# Altium PCB OneBox.PcbDoc (part 11 of 13)
Units mm, origin at the board's own origin, x right, y up, seen from the top; angles counter-clockwise.
Board outline 101 x 69 mm, 6 copper layers (L1_Sig, L2_Gnd, L3_Pow, L4_Sig, L5_Gnd, L6_Sig), stack 1.538 mm thick; 766 components, 563 nets, 3133 pads, 2914 vias.
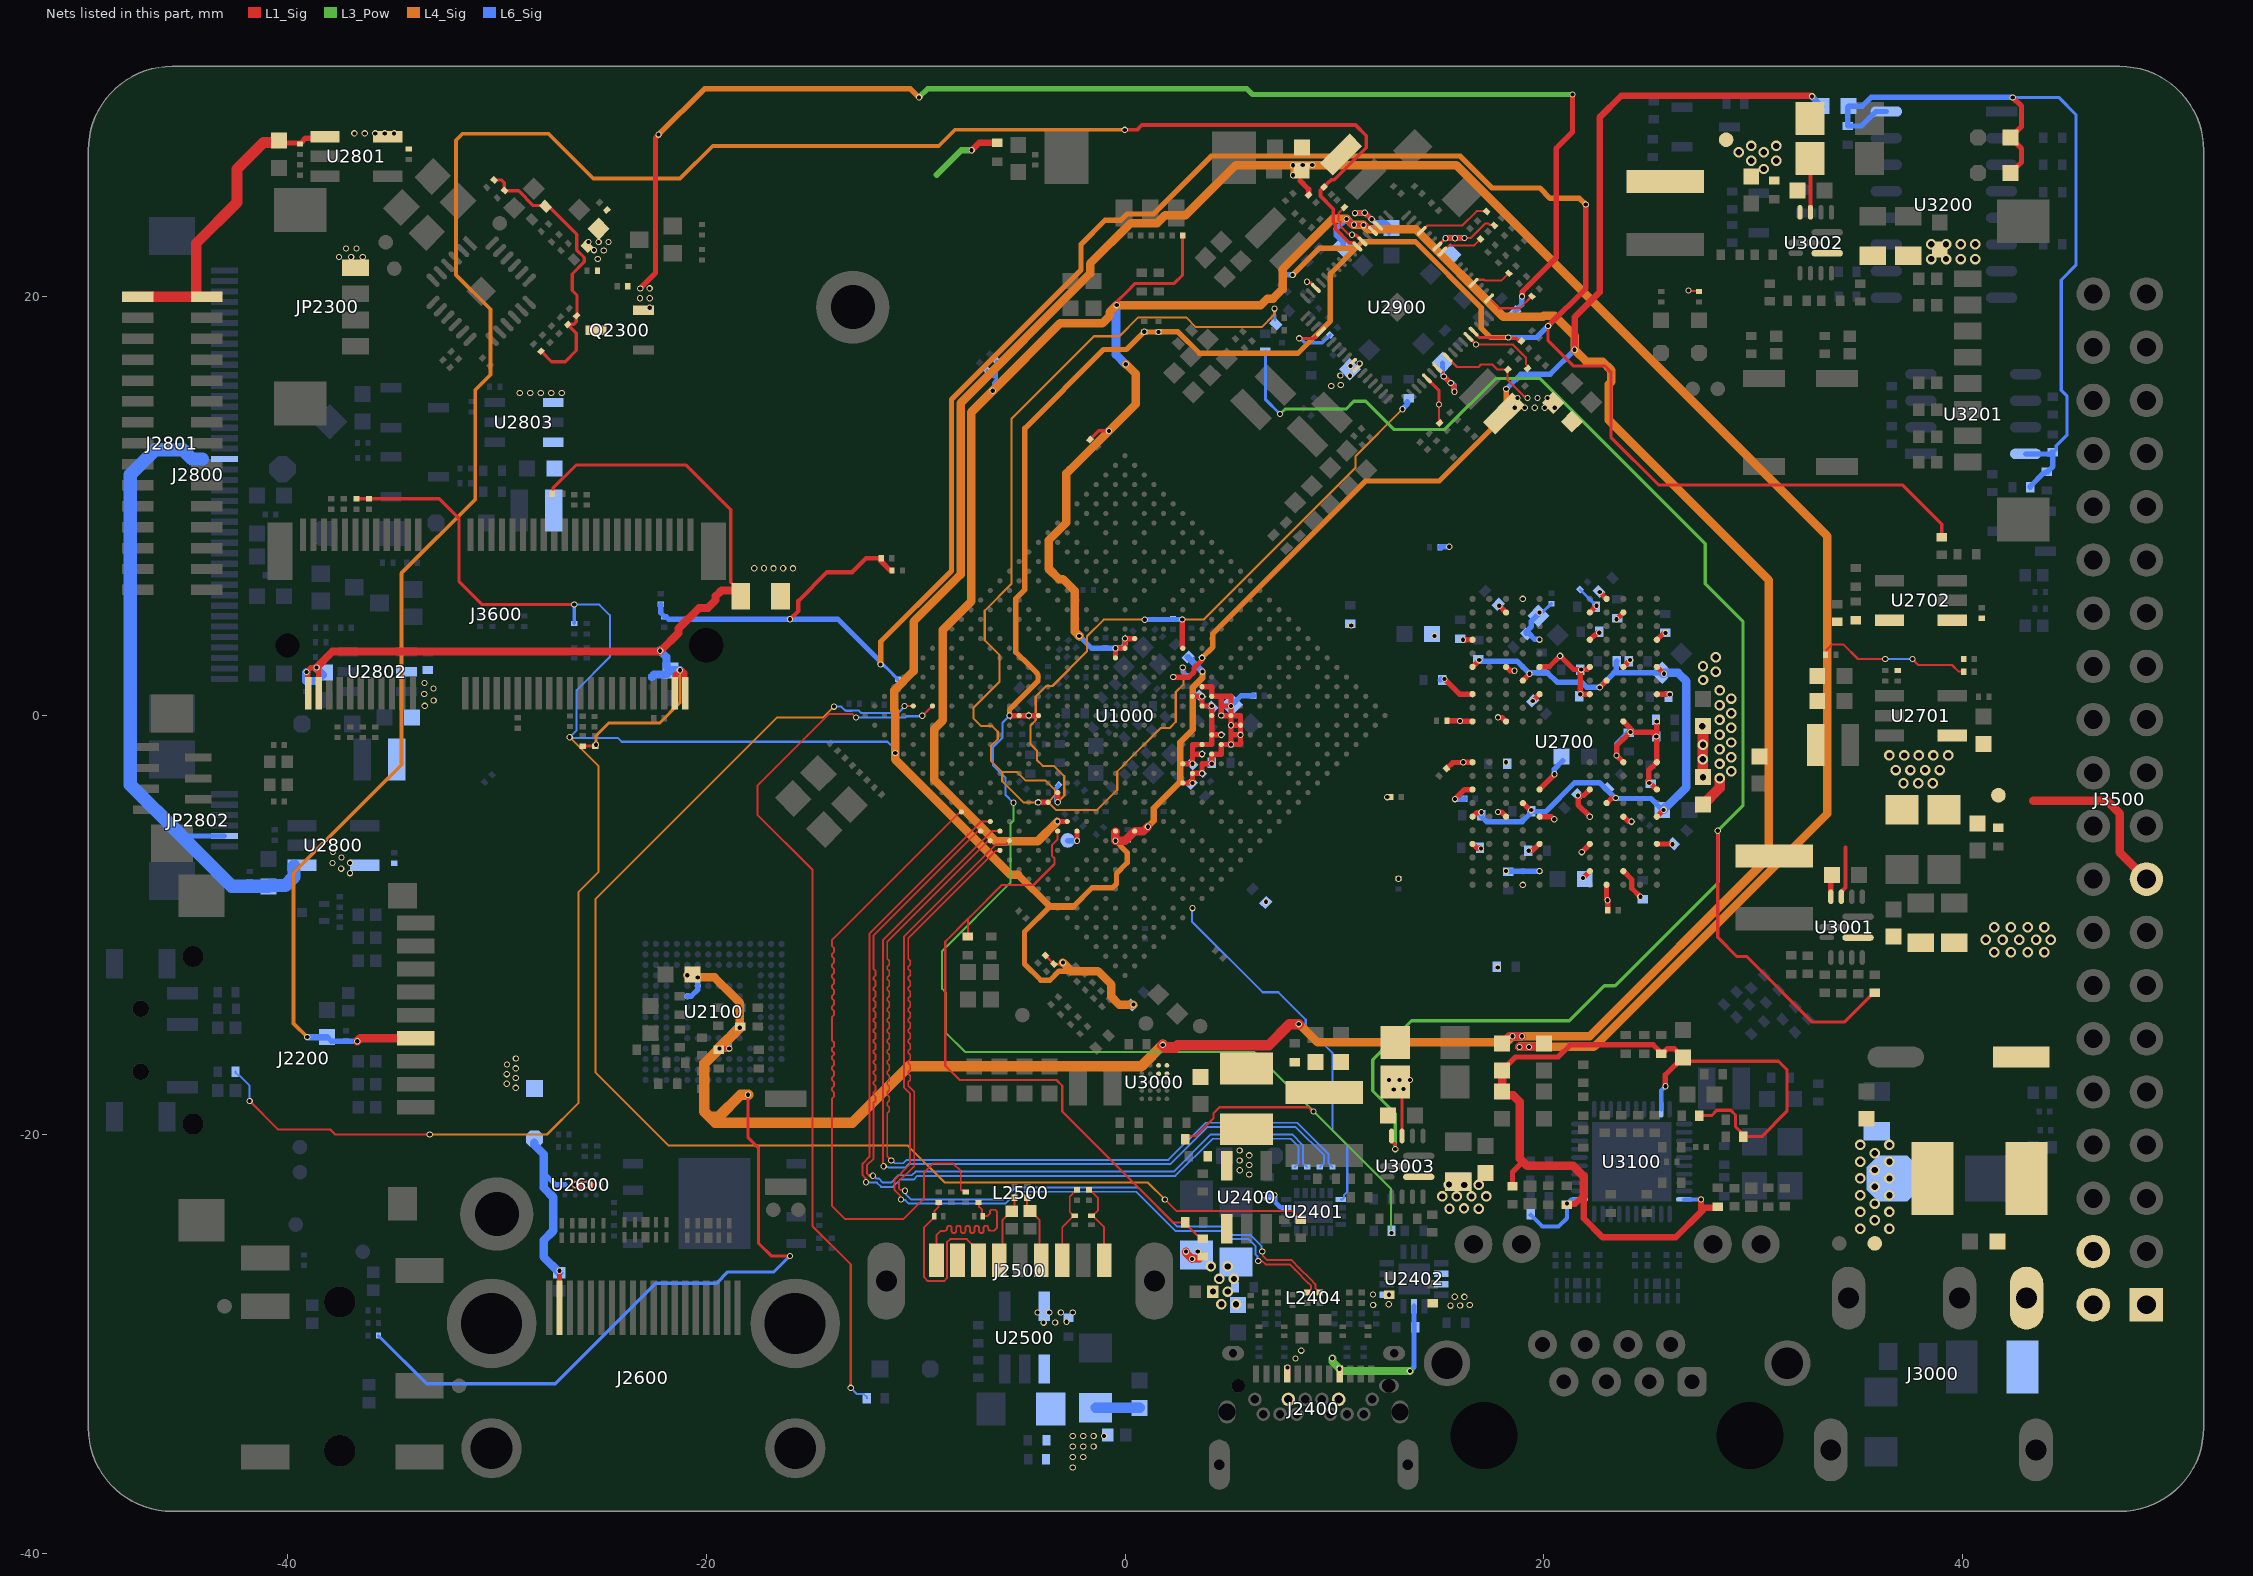
[diagram p15: the nets of this part, all layers, seen from the top]

## Via types
v1: diameter 0.3, hole 0.2, L1_Sig to L6_Sig, tented both sides, 2711 vias
v2: diameter 0.5, hole 0.3, L1_Sig to L6_Sig, tented both sides, 199 vias
v3: diameter 0.305, hole 0.203, L1_Sig to L6_Sig, tented both sides, 4 vias

## Nets (pads, with @x,y where several pads share a name; then routed paths per layer and width w, separated by ;. In a path a pad name is that pad's centre, name@x,y a point inside that pad or via, vN(x,y) a via of type N, cw(c..) or ccw(c..) an arc to the next point about the centre after c; other vN are vias at no path point) (continued)
USB3_HOST1_SSTX_P: R2505.1 U1000.V28 | length 32
  L1_Sig w0.091: U1000.V28@-7.814,-4.596 -7.856,-4.596 -7.925,-4.665 -7.933,-4.665 -13.994,-10.726 -13.994,-11 -13.9,-11.094 -13.9,-11.3 -13.994,-11.394 -13.994,-11.5 -13.9,-11.594 -13.9,-11.8 -13.994,-11.894 -13.994,-12 -13.9,-12.094 -13.9,-12.3 -13.994,-12.394 -13.994,-12.5 -13.9,-12.594 -13.9,-12.8 -13.994,-12.894 -13.994,-13 -13.9,-13.094 -13.9,-13.3 -13.994,-13.394 -13.994,-13.5 -13.9,-13.594 -13.9,-13.8 -13.994,-13.894 -13.994,-14 -13.9,-14.094 -13.9,-14.3 -13.994,-14.394 -13.994,-15.5 -13.9,-15.594 -13.9,-15.8 -13.994,-15.894 -13.994,-15.992 -13.9,-16.086 -13.9,-16.194 -13.994,-16.289 -13.994,-16.394 -13.9,-16.489 -13.9,-16.694 -13.994,-16.789 -13.994,-16.894 -13.9,-16.989 -13.9,-17.194 -13.994,-17.289 -13.994,-17.394 -13.9,-17.489 -13.9,-17.694 -13.994,-17.789 -13.994,-17.894 -13.9,-17.989 -13.9,-18.194 -13.994,-18.289 -13.994,-23.415 -13.368,-24.041 -10.6,-24.041 -9.6,-23.041 -9.6,-21.809 -9.185,-21.394 -8.195,-21.394 -7.847,-21.742 -7.847,-22.631 -7.794,-22.684 -7.666,-22.684 R2505.1@-7.6,-22.75
USB3_HOST1DM: ED2501.1 J2500.2 L2500.3 R2501.1 | length 3.3
  L1_Sig w0.091: J2500.2@-6,-26 -5.849,-25.849 -5.849,-24.074 -5.425,-23.65 -5.4,-23.65 -5.277,-23.527 R2501.1@-5.277,-23.026
USB3_HOST1DP: ED2500.1 J2500.3 L2500.4 R2500.1 | length 3.3
  L1_Sig w0.091: R2500.1@-4.677,-23.026 -4.677,-23.551 ED2500.1@-4.577,-23.651 ; ED2500.1@-4.54,-23.649 -4.515,-23.649 -4.286,-23.879 -4.286,-23.886 -4.09,-24.081 -4.09,-25.91 J2500.3@-4,-26
USB3_HOST1SSRXN: ED2503.1 J2500.5 R2502.2 | length 3.9
  L1_Sig w0.091: R2502.2@-1.696,-22.644 -1.287,-23.052 -1.287,-23.627 -1.55,-23.89 ED2503.1@-1.6,-23.89 ; ED2503.1@-1.568,-23.922 -1.536,-23.954 -1.472,-23.954 -1,-24.427 J2500.5@-1,-26
USB3_HOST1SSRXP: ED2502.1 J2500.6 R2503.2 | length 3.9
  L1_Sig w0.091: J2500.6@-3,-26 -3,-24.432 -2.523,-23.954 -2.464,-23.954 ED2502.1@-2.4,-23.89 -2.45,-23.89 -2.514,-23.826 -2.642,-23.698 -2.642,-22.964 -2.321,-22.644 R2503.2@-2.296,-22.644
USB3_HOST1SSTXN: C2500.1 ED2504.1 J2500.8 | length 9
  L1_Sig w0.091: C2500.1@-8.9,-23.25 -8.903,-23.253 -8.903,-23.459 -9.101,-23.656 -9.101,-23.891 ED2504.1@-9.11,-23.9 -9.11,-23.95 -9.6,-24.44 -9.6,-26.815 -9.415,-27 -8.642,-27 -8.503,-26.861 -8.503,-25.144 -8.358,-25 -7.55,-25 -7,-25.55 J2500.8@-7,-26
USB3_HOST1SSTXP: C2501.1 ED2505.1 J2500.9 | length 9
  L1_Sig w0.091: J2500.9@-9,-26 -9,-24.8 -8.8,-24.6 -8.654,-24.6 -8.608,-24.6 ccw(c-8.608,-24.491) -8.499,-24.491 -8.499,-24.466 cw(c-8.39,-24.466) -8.28,-24.466 -8.28,-24.602 ccw(c-8.171,-24.602) -8.062,-24.602 -8.062,-24.466 cw(c-7.953,-24.466) -7.843,-24.466 -7.843,-24.602 ccw(c-7.734,-24.602) -7.625,-24.602 -7.625,-24.466 cw(c-7.516,-24.466) -7.407,-24.466 -7.407,-24.602 ccw(c-7.297,-24.602) -7.188,-24.602 -7.188,-24.466 cw(c-7.079,-24.466) -6.97,-24.466 -6.97,-24.602 ccw(c-6.86,-24.602) -6.751,-24.602 -6.751,-24.466 cw(c-6.642,-24.466) -6.533,-24.466 -6.533,-24.488 ccw(c-6.424,-24.488) -6.423,-24.597 -6.271,-24.597 -6.253,-24.597 -6.225,-24.569 -6.118,-24.462 -6.118,-23.676 -6.199,-23.595 -6.393,-23.595 -6.458,-23.66 -6.458,-23.783 -6.575,-23.9 ED2505.1@-6.79,-23.9 -6.822,-23.868 -6.822,-23.603 -6.966,-23.459 -6.966,-23.284 C2501.1@-7,-23.25
USB3_OTG0_DP/DM_N: L2404.3 R2408.1 U1000.P28 | length 42.5
  L1_Sig w0.091: v1(-10.508,-22.685) -10.533,-22.66 -10.709,-22.66 -10.8,-22.569 -10.8,-22.245 -10.064,-21.509 -10.064,-17.957 -10.351,-17.67 -10.351,-17.494 -10.257,-17.4 -10.257,-17.194 -10.351,-17.1 -10.351,-16.994 -10.257,-16.9 -10.257,-16.694 -10.351,-16.6 -10.351,-16.494 -10.257,-16.4 -10.257,-16.194 -10.351,-16.1 -10.351,-15.994 -10.257,-15.9 -10.257,-15.694 -10.351,-15.6 -10.351,-15.494 -10.257,-15.4 -10.257,-15.194 -10.351,-15.1 -10.351,-14.994 -10.257,-14.9 -10.257,-14.694 -10.351,-14.6 -10.351,-14.494 -10.257,-14.4 -10.257,-14.194 -10.351,-14.1 -10.351,-13.994 -10.257,-13.9 -10.257,-13.694 -10.351,-13.6 -10.351,-13.494 -10.257,-13.4 -10.257,-13.194 -10.351,-13.1 -10.351,-12.994 -10.257,-12.9 -10.257,-12.694 -10.351,-12.6 -10.351,-12.494 -10.257,-12.4 -10.257,-12.194 -10.351,-12.1 -10.351,-11.994 -10.257,-11.9 -10.257,-11.694 -10.351,-11.6 -10.351,-10.636 -6.178,-6.462 -6.002,-6.462 U1000.P28@-5.975,-6.435 ; v1(6.549,-25.584) 6.575,-25.609 6.575,-25.782 6.793,-26 7.949,-26 8.328,-26.379 8.328,-26.382 8.842,-26.895 8.844,-26.895 9.093,-27.144 9.093,-27.343 9.196,-27.446 9.196,-27.471 9.275,-27.55 L2404.3@9.3,-27.55
  L6_Sig w0.091: v1(-10.508,-22.685) -10.467,-22.726 -10.467,-22.865 -10.232,-23.1 -5.8,-23.1 -5.23,-22.53 0.621,-22.53 2.485,-24.394 4.719,-24.394 5.115,-24.791 5.981,-24.791 6.509,-25.319 6.509,-25.544 v1(6.549,-25.584)
USB3_OTG0_DP/DM_P: L2404.4 R2409.1 U1000.P27 | length 42.5
  L1_Sig w0.091: v1(-10.7,-23.1) -10.741,-23.059 -10.741,-22.919 -11.006,-22.654 -11.006,-22.159 -10.27,-21.424 -10.27,-18.042 -10.557,-17.755 -10.557,-10.551 -6.169,-6.162 -5.703,-6.162 U1000.P27@-5.515,-5.975 ; v1(6.356,-26.041) 6.374,-26.059 6.562,-26.059 6.708,-26.206 7.864,-26.206 8.122,-26.464 8.122,-26.467 8.757,-27.101 8.759,-27.101 8.887,-27.229 8.887,-27.363 L2404.4@8.7,-27.55
  L6_Sig w0.091: v1(-10.7,-23.1) -10.67,-23.13 -10.492,-23.13 -10.317,-23.305 -5.714,-23.305 -5.144,-22.735 0.535,-22.735 2.4,-24.6 4.633,-24.6 5.03,-24.996 5.896,-24.996 6.224,-25.325 6.224,-25.718 6.316,-25.811 6.316,-26.001 v1(6.356,-26.041)
USB3_OTG0_ID: TP1900.1 U1000.L23 | length 0.9
  L1_Sig w0.102: U1000.L23@-2.298,-5.515 U1000.L23@-2.298,-5.515
  L1_Sig w0.254: v1(-2.298,-5.975) U1000.L23@-2.298,-5.515
  L6_Sig w0.254: TP1900.1@-2.739,-5.961 -2.732,-5.968 -2.305,-5.968 v1(-2.298,-5.975)
USB3_OTG0_SSRX_N: C2408.2 U1000.R27 | length 41.6
  L1_Sig w0.091: v1(-11.528,-21.518) -11.561,-21.486 -11.561,-10.716 -6.36,-5.515 U1000.R27@-5.975,-5.515
  L6_Sig w0.091: v1(-11.528,-21.518) -11.5,-21.546 -11.327,-21.546 -11.294,-21.579 -10.504,-21.579 -10.341,-21.417 2.156,-21.417 3.928,-19.645 8.145,-19.645 9.5,-21 9.5,-21.375 9.325,-21.55 C2408.2@9.3,-21.55
USB3_OTG0_SSRX_P: C2409.2 U1000.R28 | length 41.7
  L1_Sig w0.091: v1(-11.166,-21.247) -11.166,-21.218 -11.355,-21.03 -11.355,-18.994 -11.261,-18.9 -11.261,-18.694 -11.355,-18.6 -11.355,-18.494 -11.261,-18.4 -11.261,-18.194 -11.355,-18.1 -11.355,-17.994 -11.261,-17.9 -11.261,-17.694 -11.355,-17.6 -11.355,-17.494 -11.261,-17.4 -11.261,-17.194 -11.355,-17.1 -11.355,-16.994 -11.261,-16.9 -11.261,-16.694 -11.355,-16.6 -11.355,-16.494 -11.261,-16.4 -11.261,-16.194 -11.355,-16.1 -11.355,-15.994 -11.261,-15.9 -11.261,-15.694 -11.355,-15.6 -11.355,-15.494 -11.261,-15.4 -11.261,-15.194 -11.355,-15.1 -11.355,-14.994 -11.261,-14.9 -11.261,-14.694 -11.355,-14.6 -11.355,-14.494 -11.261,-14.4 -11.261,-14.194 -11.355,-14.1 -11.355,-13.994 -11.261,-13.9 -11.261,-13.694 -11.355,-13.6 -11.355,-13.494 -11.261,-13.4 -11.261,-13.194 -11.355,-13.1 -11.355,-12.994 -11.261,-12.9 -11.261,-12.694 -11.355,-12.6 -11.355,-12.494 -11.261,-12.4 -11.261,-12.194 -11.355,-12.1 -11.355,-11.994 -11.261,-11.9 -11.261,-11.694 -11.355,-11.6 -11.355,-10.801 -6.559,-6.005 -6.465,-6.005 U1000.R28@-6.435,-5.975
  L6_Sig w0.091: v1(-11.166,-21.247) -11.135,-21.247 -11.008,-21.374 -10.589,-21.374 -10.427,-21.211 2.071,-21.211 3.843,-19.439 8.23,-19.439 9.706,-20.915 9.706,-21.356 C2409.2@9.9,-21.55
USB3_OTG0_SSTX_N: C2406.2 U1000.T27 | length 43
  L1_Sig w0.091: v1(-12.372,-22.283) -12.397,-22.258 -12.397,-22.084 -12.534,-21.946 -12.534,-21.396 -12.212,-21.073 -12.212,-10.405 -7.491,-5.684 -6.863,-5.056 U1000.T27@-6.435,-5.056
  L6_Sig w0.091: v1(-12.372,-22.283) -12.356,-22.299 -11.845,-22.299 -11.644,-22.5 -11.09,-22.5 -10.743,-22.153 -10.092,-22.153 -9.917,-21.978 2.407,-21.978 4.179,-20.206 7.906,-20.206 8.291,-20.591 8.291,-21.384 8.125,-21.55 C2406.2@8.1,-21.55
USB3_OTG0_SSTX_P: C2407.2 U1000.T28 | length 43
  L1_Sig w0.091: v1(-12.042,-21.974) -12.066,-21.949 -12.24,-21.949 -12.329,-21.861 -12.329,-21.481 -12.006,-21.158 -12.006,-18.494 -11.912,-18.4 -11.912,-18.194 -12.006,-18.1 -12.006,-17.994 -11.912,-17.9 -11.912,-17.694 -12.006,-17.6 -12.006,-17.494 -11.912,-17.4 -11.912,-17.194 -12.006,-17.1 -12.006,-16.994 -11.912,-16.9 -11.912,-16.694 -12.006,-16.6 -12.006,-16.494 -11.912,-16.4 -11.912,-16.194 -12.006,-16.1 -12.006,-15.994 -11.912,-15.9 -11.912,-15.694 -12.006,-15.6 -12.006,-15.494 -11.912,-15.4 -11.912,-15.194 -12.006,-15.1 -12.006,-14.994 -11.912,-14.9 -11.912,-14.694 -12.006,-14.6 -12.006,-14.494 -11.912,-14.4 -11.912,-14.194 -12.006,-14.1 -12.006,-13.994 -11.912,-13.9 -11.912,-13.694 -12.006,-13.6 -12.006,-13.494 -11.912,-13.4 -11.912,-13.194 -12.006,-13.1 -12.006,-12.994 -11.912,-12.9 -11.912,-12.694 -12.006,-12.6 -12.006,-12.494 -11.912,-12.4 -11.912,-12.194 -12.006,-12.1 -12.006,-10.49 -7.2,-5.684 -7.057,-5.541 -6.92,-5.541 U1000.T28@-6.894,-5.515
  L6_Sig w0.091: v1(-12.042,-21.974) -12.003,-21.974 -11.884,-22.093 -11.76,-22.093 -11.559,-22.294 -11.175,-22.294 -10.828,-21.947 -10.177,-21.947 -10.002,-21.772 2.322,-21.772 4.094,-20 7.991,-20 8.496,-20.505 8.496,-21.371 8.675,-21.55 C2407.2@8.7,-21.55
USB3_OTG0_VBUSDET: C1900.2 R2413.2 R2414.1 U1000.M24 | length 31.7
  L1_Sig w0.102: C1900.2@-7.5,-10.55 -7.5,-9.705 ; U1000.M24@-3.217,-5.515 -3.217,-5.908 -3.495,-6.185 -3.495,-6.684 -3.369,-6.81 -3.369,-7.088 -4.371,-8.091 -5.885,-8.091 -7.397,-9.603 -7.5,-9.705 ; R2413.2@3.7,-24.975 3.551,-24.826 3.451,-24.826 2.875,-24.25 R2414.1@2.875,-24.2 2.3,-24.2 -3,-18.9 -3,-17.672 -3.272,-17.4 -7.9,-17.4 -8.586,-16.714 -8.586,-10.792 -7.5,-9.705
USB30_SW_GPIO3_C2: U1000.A21 U2401.6 | length 17.6
  L6_Sig w0.102: v1(3.217,-9.192) 3.197,-9.213 3.197,-9.835 6.573,-13.211 7.322,-13.211 8.627,-14.517 8.627,-14.827 9.9,-16.1 9.9,-16.552 9.9,-19.787 10.612,-20.499 10.612,-22.729 10.459,-22.882 10.459,-23.026 10.384,-23.1 U2401.6@10.305,-23.1
USB_AVDD_0V9: C1903.2 C1910.2 LB2901.2 U1000.P22 U1000.R8 | length 33.4
  L1_Sig w0.254: v1(-3.217,-4.137) U1000.P22@-3.217,-3.677 ; v1(2.73,4.586) 2.73,3.245 U1000.R8@2.758,3.217
  L4_Sig w0.102: v1(-3.217,-4.137) -3.217,-4.129 -2.903,-3.815 -2.903,-2.897 -3.4,-2.4 -3.933,-2.4 -4.211,-2.123 -4.211,-1.67 -4.518,-1.362 -4.518,-0.47 -4.266,-0.218 -4.266,0.915 -3.765,1.416 -3.467,1.416 -1.824,3.059 -1.824,3.776 -1.019,4.581 v1(0.942,4.581) ; v1(2.73,4.586) 3.756,4.586 11,11.83 11,12.39 v1(13.242,14.632)
  L6_Sig w0.203: v1(-3.217,-4.137) -3.217,-4.11 -3.296,-4.032 -3.296,-3.475 -3.177,-3.356 C1903.2@-3.177,-3.323
  L6_Sig w0.254: v1(0.942,4.581) 0.947,4.586 2.725,4.586 v1@2.728,4.588 ; v1(2.73,4.586) v1@2.728,4.588 ; v1@2.739,4.6 v1@2.728,4.588 ; v1(13.242,14.632) 13.242,14.644 13.478,14.88 LB2901.2@13.478,14.99
USB_AVDD_1V8: C1902.2 C1909.2 LB2902.2 U1000.P9 U1000.P23 | length 53.5
  L1_Sig w0.254: v1@-4.14,-4.135 U1000.P23@-3.681,-4.135 ; v1(2.758,2.293) U1000.P9@2.758,2.298
  L4_Sig w0.089: -5.861,-2.7 -5.138,-2.7 -4.738,-3.1 -3.796,-3.1 -3.35,-3.546 -3.35,-3.811 -3.6,-4.061 -3.6,-4.212 -3.312,-4.5 -1.323,-4.5 -0.371,-3.548 ; -0.371,-2.668 -0.088,-2.384 -0.088,-2.378
  L4_Sig w0.102: -5.419,6.3 -5.419,6.294 ; v1(-4.148,-4.142) -4.858,-4.142 -5.861,-3.139 -5.861,-2.7 -6.408,-2.153 -6.408,-1.451 -6.078,-1.121 -6.078,-0.764 -6.343,-0.5 -6.867,-0.5 -7.241,-0.126 -7.241,0.364 -6,1.605 -6,2.9 -6.7,3.6 -6.7,5.013 -5.419,6.294 ; -0.371,-3.548 -0.371,-2.668 ; -0.088,-2.378 1.702,-0.589 2.129,-0.589 2.421,-0.296 2.421,1.127 2.795,1.5 2.795,2.257 v1(2.758,2.293) ; v1(7.131,19.432) 7.103,19.405 7.103,19.127 6.526,18.55 3.382,18.55 2.918,19.013 0.633,19.013 -0.266,18.114 -1.486,18.114 -5.419,14.181 -5.419,6.294
  L6_Sig w0.102: v1(7.131,19.432) 7.161,19.402 LB2902.2@7.161,18.878
  L6_Sig w0.254: v1(2.758,2.293) 2.767,2.284 2.767,2.082 2.946,1.903 C1909.2@2.967,1.903
USB_HOST_PWREN_H_GPIO0_A6: R2506.1 U1000.AE24 | length 41.7
  L1_Sig w0.102: v1(-13.1,-32.1) -13.1,-26.2 -14.932,-24.368 -14.932,-7.349 -17.555,-4.726 -17.555,-3.355 -14.118,0.082 -13.025,0.082 v1(-12.847,-0.095) v1(-12.847,-0.095) ; v1(-9.679,-0.008) -9.67,-0.008 -9.202,0.46 U1000.AE24@-9.192,0.46
  L6_Sig w0.102: v1(-13.1,-32.1) -12.799,-32.401 -12.474,-32.401 -12.325,-32.55 R2506.1@-12.325,-32.6 ; v1(-12.847,-0.095) -10.495,-0.095 -10.431,-0.031 -9.702,-0.031 v1(-9.679,-0.008)
USB_OTG_PWREN_H_GPIO0_A5: R2410.1 U1000.AF25 | length 64.2
  L1_Sig w0.102: v1(-10.531,0.455) -10.528,0.457 -10.114,0.457 U1000.AF25@-10.112,0.46 ; v1(1.9,-23.1) 2.448,-23.648 7.973,-23.648 8.201,-23.876 8.201,-23.926 8.35,-24.075 R2410.1@8.4,-24.075
  L4_Sig w0.102: v1(-13.902,0.43) -14.43,-0.098 -16.624,-0.098 -25.29,-8.765 -25.29,-17.022 -21.782,-20.53 -10.37,-20.53 -8.608,-22.292 1.092,-22.292 v1(1.9,-23.1)
  L6_Sig w0.102: v1(-13.902,0.43) -13.543,0.43 -13.349,0.235 -13.326,0.235 -13.322,0.231 -13.048,0.231 -13.044,0.235 -12.71,0.235 -12.602,0.127 -10.837,0.127 -10.531,0.434 v1(-10.531,0.455)
VBUS_TYPEC0: C2401.2 C2402.2 C2403.2 C2404.2 C2414.2 ED2400.1 J2400.A4 J2400.A9 J2400.B4 J2400.B9 R2413.1 U2400.1 U2402.2 | length 8.5
  L1_Sig w0.305: J2400.A4@7.75,-31.44 7.752,-31.438 7.752,-31.135 v1(7.756,-31.132)
  L1_Sig w0.381: v1(2.914,-25.594) 2.914,-25.662 v1(3.203,-25.951) ; v1@3.217,-25.931 3.544,-25.931 3.641,-25.834 3.691,-25.834 R2413.1@3.7,-25.825
  L3_Pow w0.381: v1(9.896,-30.685) 9.896,-30.843 v1(10.235,-31.183) ; v1@10.237,-31.178 10.36,-31.3 v1(13.6,-31.3)
  L6_Sig w0.254: v1(13.6,-31.3) 13.8,-31.1 U2402.2@13.8,-28.2
  other v1: 8.134,-30.692 8.413,-30.322 3.47,-25.585
  other v2: 4.6,-28.1 5.3,-28.1 4.2,-27.5 4.9,-27.5 4.5,-26.9 5.2,-26.9 4.1,-26.3 4.9,-26.3
VCC0V6_DDR: C1105.2 C1106.2 C1107.2 C1108.2 C1109.2 C2723.2 C2724.2 C2725.2 C2726.2 C2727.2 C2728.2 C2729.2 C2730.2 C2731.2 C2732.2 C2733.2 C2734.2 C2735.2 C2736.2 C2737.2 C2738.2 C2739.2 C2740.2 C2741.2 C2742.2 C2745.2 C2746.2 C2747.2 C2748.2 L2700.2 R2700.2 R2701.2 R2703.1 R2705.1 U1000.J11 U1000.J12 U1000.J14 U1000.K10 U1000.L10 U1000.M10 U2700.AA3 U2700.AA5 U2700.AA8 U2700.AA10 U2700.B3 U2700.B5 U2700.B8 U2700.B10 U2700.D1 U2700.D5 U2700.D8 U2700.D12 U2700.F3 U2700.F10 U2700.U3 U2700.U10 U2700.W1 U2700.W5 U2700.W8 U2700.W12 | length 31.2
  L1_Sig w0.102: C2747.2@33.45,2.9 33.497,2.947 33.497,3.14 33.757,3.4 34.3,3.4 35,2.7 v1(36.3,2.7) ; v1(37.6,2.7) 37.881,2.419 39.485,2.419 39.805,2.1 R2703.1@40.05,2.1
  L1_Sig w0.254: U1000.J14@2.758,-2.298 v1(3.217,-2.298) 3.217,-1.838 ; U1000.M10@3.217,0.919 v1(3.677,0.919) U1000.L10@3.677,0.46 v1(4.137,0.46) U1000.K10@4.137,0 U1000.J11@4.137,-0.919 ; v1(3.677,-1.838) 3.217,-1.838 ; v1(4.596,-0.919) U1000.J11@4.137,-0.919 ; v1(16.132,3.624) U2700.D1@16.592,3.624 ; U2700.W1@16.592,-6.126 16.604,-6.126 16.818,-6.34 16.983,-6.34 v1(16.992,-6.349) ; v1(17.812,-4.599) 17.822,-4.609 17.967,-4.609 18.185,-4.826 U2700.U3@18.192,-4.826 ; v1(17.867,5.248) U2700.B3@18.192,4.924 ; v1(18.192,-7.426) U2700.AA3@18.197,-7.421 ; U2700.F3@18.192,2.324 18.204,2.324 18.38,2.147 18.582,2.147 v1(18.592,2.138) ; v1(19.279,-6.453) 19.288,-6.443 19.463,-6.443 19.779,-6.126 U2700.W5@19.792,-6.126 ; v1(21.81,-6.518) 21.81,-6.513 22.192,-6.131 U2700.W8@22.192,-6.126 ; v1(21.867,-7.751) U2700.AA8@22.192,-7.426 ; U2700.D8@22.192,3.624 22.204,3.624 22.526,3.945 22.636,3.945 v1(22.646,3.955) ; U2700.B8@22.192,4.924 v1(22.517,5.248) ; v1(23.467,4.599) U2700.B10@23.792,4.924 ; U2700.AA10@23.792,-7.426 24.195,-7.83 24.195,-8.245 v1(24.605,-8.654) ; U2700.U10@23.792,-4.826 23.804,-4.826 24.029,-5.052 24.171,-5.052 v1(24.181,-5.061) ; U2700.F10@23.792,2.324 v1(24.117,2.648) ; U2700.W12@25.392,-6.126 26.107,-6.126 26.126,-6.145 v1(26.139,-6.145) ; U2700.D12@25.392,3.624 25.404,3.624 25.721,3.94 25.79,3.94 v1(25.8,3.95) ; 3.217,-1.838 3.217,-1.379 U1000.J12@3.677,-1.379 4.137,-1.379 U1000.J11@4.137,-0.919
  L1_Sig w0.508: R2705.1@27.6,-4.242 28.4,-3.442 28.4,-3.003 v2(28.398,-3.001)
  L6_Sig w0.102: v1(36.3,2.7) v1(37.6,2.7)
  L6_Sig w0.152: C2724.2@19.74,4.76 19.761,4.76 C2724.2@19.954,4.953 ; v1(19.792,4.924) 19.821,4.953 C2724.2@19.954,4.953 ; C2724.2@19.978,4.953 C2724.2@19.954,4.953 ; R2701.2@20.366,5.34 20.341,5.34 C2724.2@19.954,4.953 ; R2700.2@21.723,6.023 C2729.2@22.507,5.239 ; C2729.2@22.371,5.248 v1(22.517,5.248)
  L6_Sig w0.254: v1(3.677,0.919) C1108.2@3.677,0.923 ; C2728.2@15.035,8.035 15.035,8.054 15.037,8.056 15.469,8.056 v1(15.479,8.066) ; C2740.2@18.201,-7.417 v1(18.192,-7.426) 18.198,-7.433 19.785,-7.433 v1(19.794,-7.424) ; v1(19.792,3.632) 19.782,3.642 19.56,3.642 19.283,3.918 19.162,3.918 19.162,4.018 19.4,4.256 19.4,4.519 19.715,4.834 19.715,4.847 v1(19.792,4.924)
  other v1: 6.733,-8.888 10.8,4.3
  other v2: 28.951,-2.656 28.385,-2.309 28.951,-1.984 28.385,-1.609 28.951,-1.284 28.385,-0.909 28.951,-0.584 28.385,-0.209 28.951,0.116 28.385,0.491 28.951,0.816 28.4,1.2
VCC1V8_DDR: C2752.2 C2753.2 C2754.2 C2755.2 C2756.2 C2757.2 C2758.2 C2759.2 C2760.2 R2702.2 R2707.2 U2700.F1 U2700.F12 U2700.G4 U2700.G9 U2700.T4 U2700.T9 U2700.U1 U2700.U12 U2702.5 | length 32.7
  L1_Sig w0.254: U2700.U1@16.592,-4.826 16.604,-4.826 16.803,-4.627 17.004,-4.627 v1(17.013,-4.618) ; U2700.F1@16.592,2.324 v1(16.917,2.648) ; U2700.T4@18.992,-4.176 19.004,-4.176 19.331,-4.503 19.386,-4.503 v1(19.396,-4.513) ; U2700.G4@18.992,1.674 v1(19.317,1.998) ; v1(22.667,1.349) U2700.G9@22.992,1.674 ; U2700.T9@22.992,-4.176 23.004,-4.176 23.234,-3.946 23.423,-3.946 v1(23.432,-3.937) ; U2700.U12@25.392,-4.826 v1(25.717,-4.502) ; U2700.F12@25.392,2.324 25.399,2.324 25.725,1.997 v1(25.733,1.997)
  L6_Sig w0.254: v1(16.917,2.648) 16.93,2.648 16.979,2.6 18.715,2.6 v1@19.307,2.008 ; C2755.2@17.052,-4.675 17.026,-4.649 17.026,-4.63 v1(17.013,-4.618) 17.013,-4.811 C2755.2@17.078,-4.875 ; C2755.2@17.079,-4.875 17.268,-5.064 18.958,-5.064 19.323,-4.699 19.323,-4.649 C2756.2@19.396,-4.576 ; v1(19.317,1.998) 19.361,2.043 19.772,2.043 C2759.2@19.876,2.146 ; v1(19.396,-4.513) C2756.2@19.396,-4.576 ; C2759.2@19.895,2.116 19.968,2.043 20.179,2.043 20.621,1.6 21.8,1.6 22.051,1.349 v1(22.667,1.349) 22.667,1.367 23.34,2.04 ; v1(23.432,-3.937) v1@23.438,-3.931 ; C2758.2@23.474,2.601 23.447,2.574 23.447,2.147 23.34,2.04 ; v1(25.717,-4.502) 25.652,-4.502 25.109,-3.959 23.466,-3.959 23.393,-3.886 23.343,-3.886 22.657,-3.2 21.472,-3.2 20.096,-4.576 C2756.2@19.396,-4.576 ; v1(25.733,1.997) 25.689,2.04 23.34,2.04
  L6_Sig w0.406: C2753.2@25.64,2.04 25.684,1.997 v1(25.733,1.997) ; v1(25.717,-4.502) 25.717,-4.434 25.828,-4.322 25.896,-4.322 26.8,-3.418 26.8,1.644 26.403,2.04 C2753.2@25.733,2.04
  other v2: 27.6,1.7 28.2,2.1 27.595,2.354 28.199,2.787
VCC3V3_L: C3027.1 U3002.6 | length 0
  L1_Sig w0.152: C3027.1@32.3,25.174 C3027.1@32.324,25.199
VCC3V3_LS: C3015.1 U3001.6 | length 1.1
  L1_Sig w0.254: U3001.6@33.699,-8.65 33.699,-7.651 C3015.1@33.75,-7.6
VCC3V3_OUT: C2405.2 C2412.2 C2800.1 C2803.1 C2806.1 C2811.1 C3030.1 C3031.1 C3032.1 C3033.1 J3500.1 L2800.1 L2801.2 L3002.2 R2802.1 TP3004.1 U2401.17 U2402.4 U2800.5 U2801.5 U2802.5 U2803.4 U2803.6 U3002.5 | length 4.7
  L1_Sig w0.152: C3031.1@32.7,26.8 C3031.1@33.126,26.374
  L1_Sig w0.203: C3031.1@32.7,26.6 32.734,26.566 32.734,24.036 U3002.5@32.726,24.027
  L6_Sig w0.203: C2412.2@7.024,-22.914 7.052,-22.886 v1(7.122,-22.886) ; C2412.2@7.052,-22.942 7.102,-22.942 7.172,-23.012 7.172,-23.24 7.409,-23.477 7.672,-23.477 U2401.17@7.695,-23.5
  L6_Sig w0.254: v1(6.629,-22.886) C2412.2@7.052,-22.886
  other v1: 11.846,-28.14 12.595,-28.111 12.6,-27.651 11.843,-27.642 -37.007,-7.521 -37.431,-7.306 -37.842,-7.033 -37.012,-7.031 -37.411,-6.774 -37.818,-6.517 -33.44,0.466 -33.014,0.721 -33.462,1.028 -33.023,1.293 -33.446,1.554 -28.9,15.4 -28.4,15.4 -27.9,15.4 -27.4,15.4 -26.9,15.4 -36.8,27.8 -36.3,27.8 -35.805,27.8 -35.352,27.8 -34.9,27.8
  other v2: 30.5,26.1 29.9,26.5 31.1,26.5 29.3,26.9 30.5,26.9 29.9,27.2 31.1,27.2
VCC3V3_PHY1: C3116.2 C3117.2 C3118.2 C3119.2 C3120.2 R3104.1 R3122.2 R3123.2 R3124.2 R3134.2 U3100.11 U3100.29 U3100.40 | length 50.3
  L1_Sig w0.152: C3119.2@26.635,-16.315 26.82,-16.5 31.2,-16.5 31.6,-16.9 31.6,-18.9 30.4,-20.1 R3124.2@29.525,-20.1 29.401,-19.976 29.401,-19.878 29.147,-19.624 29.147,-19.071 28.924,-18.847 28.253,-18.847 28,-19.1 R3123.2@27.425,-19.1